# Altium PCB Arcaboard.PcbDoc (part 1 of 2) (continued)
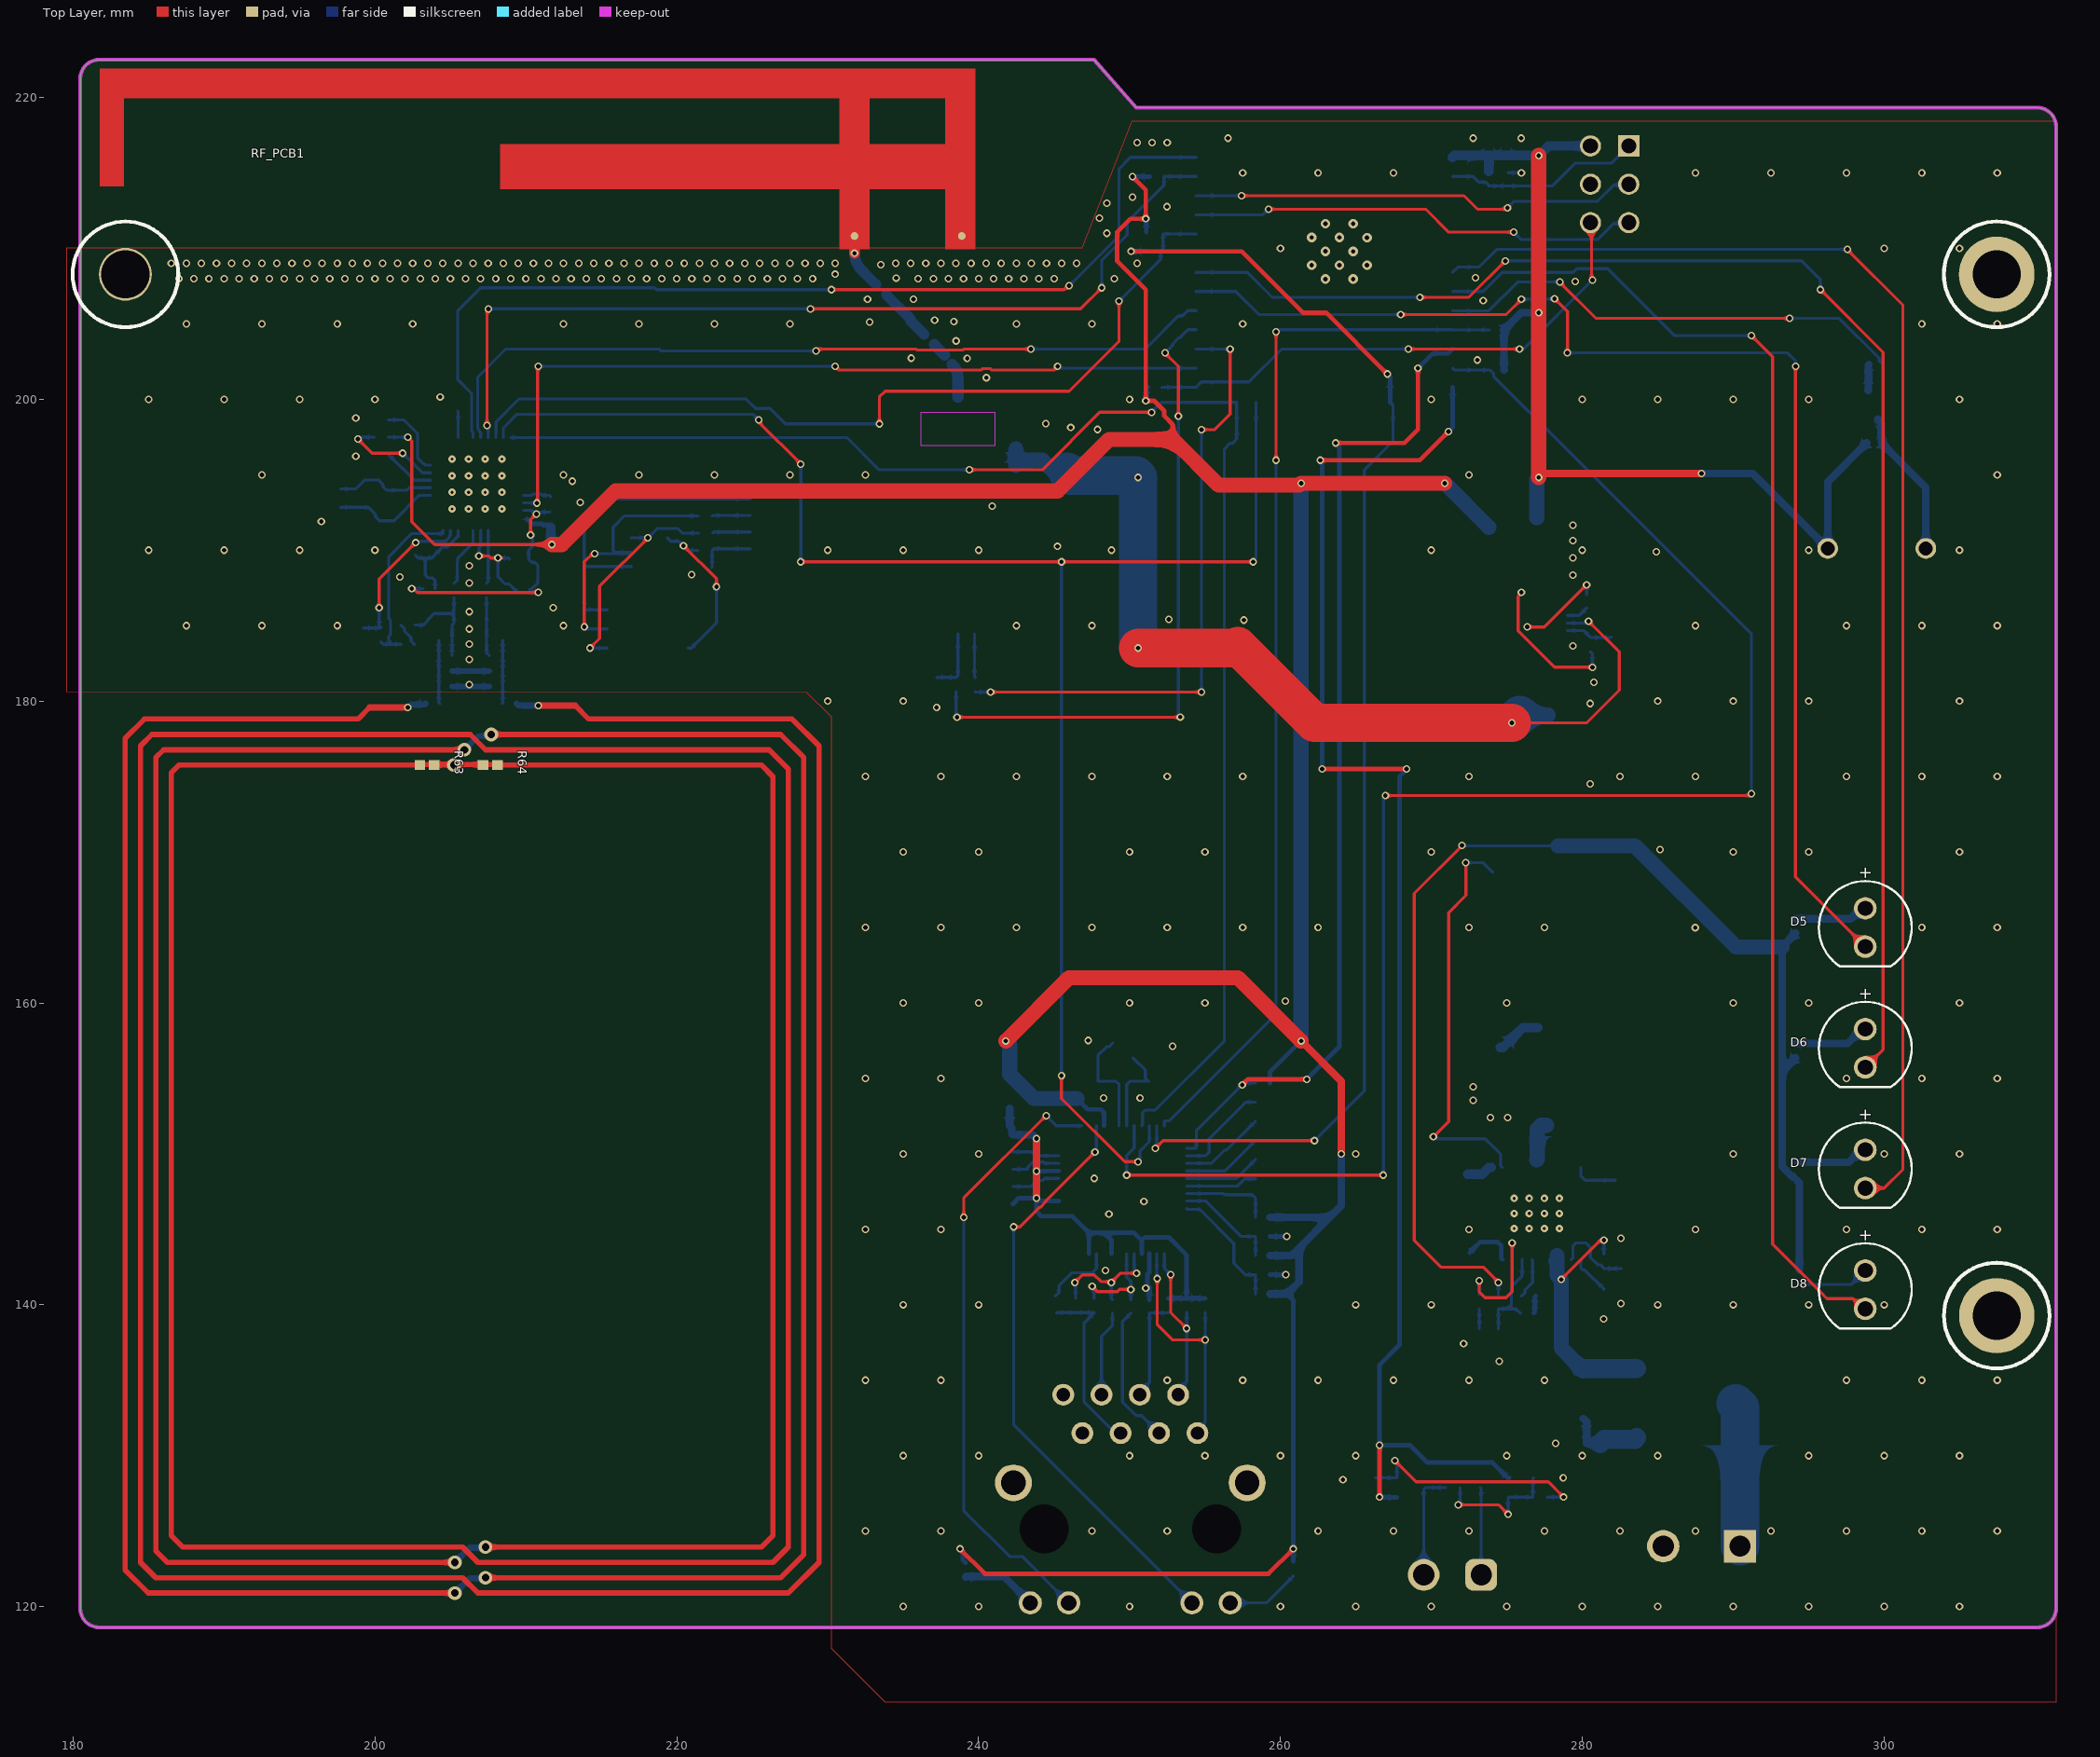
[diagram p0: Top Layer view]
## Components (designator, comment, footprint, x,y, rotation, side; value= is the part's Value field where it differs from the comment) (continued)
R12 "24k9 0402 0.1%" RESC1005X40X25ML05T10 274.447,140.208 r90 bottom
R13 "10k 0402 0.1%" RESC1005X40X25ML05T10 274.447,137.922 r90 bottom
R14 "1M 0402 1%" RESC1005X40X25ML05T10 249.588,154.813 r180 bottom
R15 "51R 0402 1%" RESC1005X40X25ML05T10 255.016,139.954 r270 bottom
R16 "51R 0402 1%" RESC1005X40X25ML05T10 253.788,139.954 r270 bottom
R17 "10R 0402 1%" RESC1005X40X25ML05T10 252.561,139.954 r270 bottom
R18 "10k 0402 0.1%" RESC1005X40X25ML05T10 258.826,148.336 r180 bottom
R19 "10k 0402 0.1%" RESC1005X40X25ML05T10 258.826,149.606 r180 bottom
R20 "10k 0402 0.1%" RESC1005X40X25ML05T10 258.826,150.876 r180 bottom
R21 "10k 0402 0.1%" RESC1005X40X25ML05T10 258.826,152.146 r180 bottom
R22 "10k 0402 0.1%" RESC1005X40X25ML05T10 258.826,153.416 r180 bottom
R23 "10k 0402 0.1%" RESC1005X40X25ML05T10 258.826,154.686 r180 bottom
R24 "1.5R 0402 1%" RESC1005X40X25ML05T10 208.915,179.832 r0 bottom
R25 "0R 0402 1%" RESC1005X40X25ML05T10 251.587,209.804 r0 bottom
R26 "0R 0402 1%" RESC1005X40X25ML05T10 200.406,196.342 r0 bottom
R27 "0R 0402 1%" RESC1005X40X25ML05T10 200.406,197.485 r180 bottom
R28 "560 nH 0402 1%" RESC1005X40X25ML05T10 207.391,187.325 r90 bottom
R29 "1k 0402 1%" RESC1005X40X25ML05T10 260.858,122.522 r270 bottom
R30 "10k 0402 0.1%" RESC1005X40X25ML05T10 258.826,140.716 r0 bottom
R31 "0R 0402 1%" RESC1005X40X25ML05T10 200.406,198.628 r0 bottom
R32 "1k 0402 1%" RESC1005X40X25ML05T10 239.141,122.428 r270 bottom
R33 "10k 0402 0.1%" RESC1005X40X25ML05T10 258.826,143.256 r0 bottom
R34 "10k 0402 0.1%" RESC1005X40X25ML05T10 274.32,204.597 r0 bottom
R35 "560 nH 0402 1%" RESC1005X40X25ML05T10 205.232,187.325 r90 bottom
R36 "10k 0402 0.1%" RESC1005X40X25ML05T10 274.353,201.93 r0 bottom
R37 "1.5R 0402 1%" RESC1005X40X25ML05T10 203.835,179.832 r0 bottom
R38 "12k4 0402 1%" RESC1005X40X25ML05T10 244.602,140.589 r0 bottom
R39 "1.69K 0402 1%" RESC1005X40X25ML05T10 202.184,185.039 r180 bottom
R40 "82R 0402 1%" RESC1005X40X25ML05T10 247.65,139.954 r270 bottom
R41 "1k 0402 1%" RESC1005X40X25ML05T10 200.406,184.404 r90 bottom
R42 "10k 0402 0.1%" RESC1005X40X25ML05T10 241.775,150.129 r0 bottom
R43 "82R 0402 1%" RESC1005X40X25ML05T10 246.422,139.954 r90 bottom
R44 "1k 0402 1%" RESC1005X40X25ML05T10 239.776,181.102 r270 bottom
R45 "10k 0402 0.1%" RESC1005X40X25ML05T10 237.236,181.102 r90 bottom
R46 "1k 0402 1%" RESC1005X40X25ML05T10 238.506,181.102 r270 bottom
R47 "10k 0402 0.1%" RESC1005X40X25ML05T10 273.812,214.63 r90 bottom
R48 "51k 0402 0.1%" RESC1005X40X25ML05T10 279.814,130.81 r0 bottom
R49 "0R 0402 1%" RESC1005X40X25ML05T10 236.728,203.962 r315 bottom
R50 "0R 0402 1%" RESC1005X40X25ML05T10 233.553,207.264 r315 bottom
R51 "100R 0402 0.1%" RESC1005X40X25ML05T10 221.869,189.992 r0 bottom
R52 "100R 0402 0.1%" RESC1005X40X25ML05T10 221.902,191.135 r0 bottom
R53 "10k 0402 0.1%" RESC1005X40X25ML05T10 257.048,196.85 r90 bottom
R54 "100R 0402 0.1%" RESC1005X40X25ML05T10 221.869,192.278 r0 bottom
R55 "10k 0402 0.1%" RESC1005X40X25ML05T10 251.808,214.757 r180 bottom
R56 "10k 0402 0.1%" RESC1005X40X25ML05T10 251.587,211.074 r180 bottom
R57 "10R 1206 0.5W 1%" CAPC3216X180X55ML20T25 274.574,155.575 r90 bottom
R58 "10k 0402 0.1%" RESC1005X40X25ML05T10 251.681,200.787 r180 bottom
R59 "10k 0402 0.1%" RESC1005X40X25ML05T10 258.826,145.796 r0 bottom
R60 "10k 0402 0.1%" RESC1005X40X25ML05T10 258.826,141.986 r180 bottom
R61 "10k 0402 0.1%" RESC1005X40X25ML05T10 258.826,144.526 r180 bottom
R62 "10k 0402 0.1%" RESC1005X40X25ML05T10 258.826,147.066 r180 bottom
R63 "0R 0402 1%" RESC1005X40X25ML05T10 203.454,175.768 r0 top
R64 "0R 0402 1%" RESC1005X40X25ML05T10 207.645,175.768 r0 top
R65 "1k 0402 1%" RESC1005X40X25ML05T10 299.339,197.104 r0 bottom
R66 "1k 0402 1%" RESC1005X40X25ML05T10 299.466,202.311 r0 bottom
R67 "82R 0402 1%" RESC1005X40X25ML05T10 294.132,165.1 r90 bottom
R68 "82R 0402 1%" RESC1005X40X25ML05T10 294.132,156.845 r90 bottom
R69 "82R 0402 1%" RESC1005X40X25ML05T10 294.259,148.971 r90 bottom
R70 "82R 0402 1%" RESC1005X40X25ML05T10 294.386,141.826 r270 bottom
RF_PCB1 "Planar Inverted-F Antenna" PCB-k9titb4465gfk1ijwrnj-1 239.776,209.931 r0 top
U1 "LM5576MHX/NOPB" PWP0020A_M 276.987,146.05 r90 bottom
U2 "TPS563231DRLR" FP-DRL0006A-MFG 278.279,185.174 r0 bottom
U3 "PN5321A3HN/C106;55" NXP-HVQFN-40_M 206.757,194.386 r90 bottom
U4 "Simcom SIM800C" SIM800C 239.729,184.452 r90 bottom
U5 "Espressif Systems ESP32-WROOM-32D" PCB-1htnvixwtci0bg563is1-1 262.906,208.549 r180 bottom
U6 "eSIM MFF2" SON127P600X95_HS-9N 218.059,184.15 r180 bottom
U7 "W5500" QFP50P900X900X160-48N 249.559,147.621 r90 bottom
Y1 "XRCGB25M000F3A00R0" XRCGB 249.555,156.845 r0 bottom
Y3 "XRCGB27M120F3M10R0" XRCGB 200.279,193.294 r90 bottom

## Footprints (in the part's own frame and the unit in brackets; to place one, negate y for a bottom-side part, rotate by r counter-clockwise, add the part's x,y. Pads: shape width x height; smd on the part's side, far side on the other; paste and mask are expansions set on the pad)
691322310002 [mm] "Horizontal PCB Header, pitch 3.81mm, 02p"
  rrect50% 2.1x2.1 hole 1.4: 1(-1.905,3.4)
  round 2.1 hole 1.4: 2(1.905,3.4)
  silkscreen extent -4.4,-4.6 4.41,4.6, body extent -4.4,-4.6 4.41,4.6, height 7.25
BUZZER-12MM-NS [mil]
  round 54 hole 36: 1(128,0) 2(-127.95,0)
  body extent -233,-233 233,233, height 335
CAPC1005X55X25NL5T10 [mm] "Chip Capacitor, 2-Leads, Body 1.05x0.55mm, IPC Medium Density"
  rect 0.66x0.62 smd: 1(-0.44,0) 2(0.44,0)
  body extent -0.53,-0.28 0.53,0.28, height 0.55
CAPC3216X180X55ML20T25 [mm]
  rect 1.55x1.9 smd: 1(-1.475,0) 2(1.475,0)
  silkscreen extent -0.3,-0.85 0.3,0.85, body extent -1.7,-0.9 1.7,0.9, height 1.8
DIOD-SOT323-3_V [mm] "SOT323, 3-Leads, Body 2.2x1.35mm, Pitch 0.65mm"
  rect 0.9x0.7 smd: 1(-0.95,0.65) 2(-0.95,-0.65) 3(0.95,0)
  silkscreen extent -1.08,-1.1 0.67,1.67, body extent -1.1,-1.1 1.1,1.1, height 1.07
DMP10H400SK313 [mm]
  rect 1.06x2.6 smd: 1(-2.286,-4.05) 3(2.286,-4.05)
  rect 5.632x5.7 smd: 2(0,2.5)
  silkscreen extent -3.29,-5.9 3.29,4.27, body extent -3.29,-4.95 3.29,4.95, height 2.39
FP-95627-0 [mm]
  rect 1.524x2.28 smd paste+0 mask+0: 1(-2.28,-4.56) 3(2.28,-4.56)
  rect 6.74x6.23 smd paste+0 mask+0: 4(0,2.585)
  silkscreen extent -3.36,-2.28 3.36,-0.9, body extent -3.26,-4.95 3.28,4.96, height 2.52
FP-1757242-MFG [mm]
  rect 2.15x2.15 hole 1.4 paste-1000 mask+0: 1(-2.54,4)
  round 2.15 hole 1.4 paste-1000 mask+0: 2(2.54,4)
  silkscreen extent -6.15,-6.07 6.15,6.65, body extent -6.04,-6 6.04,6, height 8.75
FP-BLM15-0_05-MFG [mm]
  rect 0.4x0.5 smd paste+0 mask+0: 1(-0.4,0) 2(0.4,0)
  silkscreen extent -0.53,-0.63 0.52,0.63, body extent -0.5,-0.25 0.5,0.25, height 0.55
FP-DEM8045C-MFG [mm]
  rect 1.75x3 smd paste+0 mask+0: 1(-3.375,0) 2(3.375,0)
  silkscreen extent -4.95,-4.15 4.15,4.15, body extent -4,-4 4,4, height 4.5
FP-DRL0006A-MFG [mm]
  rrect33% 0.67x0.3 smd paste+0 mask+0: 1(-0.74,0.5) 2(-0.74,0) 3(-0.74,-0.5) 4(0.74,-0.5) 5(0.74,0) 6(0.74,0.5)
  silkscreen extent -1.9,-1.05 0.65,1.05, body extent -0.8,-0.8 0.8,0.8, height 0.6
FP-GRM21B-0_15-IPC_C [mm]
  rect 1.006x1.308 smd paste+0 mask+0: 1(-0.726,0) 2(0.726,0)
  silkscreen extent -1.23,-1.1 1.23,1.1, body extent -1,-0.63 1,0.63, height 1.4
FP-GRM188-0_2-IPC_B [mm]
  rect 1.105x1.006 smd paste+0 mask+0: 1(-0.701,0) 2(0.701,0)
  silkscreen extent -1.25,-0.9 1.25,0.9, body extent -0.8,-0.4 0.8,0.4, height 1
FP-LQM21PH_G0-MFG [mm]
  rect 1.15x1 smd paste+0 mask+0: 1(-1.175,0) 2(1.175,0)
  silkscreen extent -0.23,-0.7 0.23,0.7, body extent -1,-0.63 1,0.63, height 1
HR911105A [mm]
  round 1.446 hole 0.89: 1(0,0) 2(-1.27,-2.54) 3(-2.54,0) 4(-3.81,-2.54) 5(-5.08,0) 6(-6.35,-2.54) 7(-7.62,0) 8(-8.89,-2.54)
  round 1.53 hole 1.02: 9(2.18,11.25) 10(-0.36,11.25) 11(-8.53,11.25) 12(-11.07,11.25)
  round 2.445 hole 1.63: MH1(3.3,3.3) MH2(-12.19,3.3)
  round 1.625 hole 3.25 unplated: MH3(1.27,6.35) MH4(-10.16,6.35)
  silkscreen extent -12.46,-4.3 4.1,17, body extent -12.39,-4.08 3.49,17.32, height 13.53
INDPM115100X400N [mm]
  rect 3.1x3.1 smd: 1(-4.8,0) 2(4.8,0)
  silkscreen extent -5.75,-5 5.75,5, body extent -5.75,-5 5.75,5, height 4
MF06A_N [mm]
  rect 1.1x0.65 smd: 1(-1.2,0.95) 2(-1.2,0) 3(-1.2,-0.95) 4(1.2,-0.95) 5(1.2,0) 6(1.2,0.95)
  silkscreen extent -1.33,-1.5 0.25,1.95, body extent -0.83,-1.49 0.83,1.5, height 1.22
NXP-HVQFN-40_M [mm] "QFN, 40-Leads, Body 6.1x6.1mm, Pitch 0.5mm, Thermal Pad 4.1x4.1mm, IPC Low Density"
  oval 0.85x0.2 smd: 1(-3.075,2.25) 2(-3.075,1.75) 3(-3.075,1.25) 4(-3.075,0.75) 5(-3.075,0.25) 6(-3.075,-0.25) 7(-3.075,-0.75) 8(-3.075,-1.25) 9(-3.075,-1.75) 10(-3.075,-2.25) 21(3.075,-2.25) 22(3.075,-1.75) 23(3.075,-1.25) 24(3.075,-0.75) 25(3.075,-0.25) 26(3.075,0.25) 27(3.075,0.75) 28(3.075,1.25) 29(3.075,1.75) 30(3.075,2.25)
  oval 0.2x0.85 smd: 11(-2.25,-3.075) 12(-1.75,-3.075) 13(-1.25,-3.075) 14(-0.75,-3.075) 15(-0.25,-3.075) 16(0.25,-3.075) 17(0.75,-3.075) 18(1.25,-3.075) 19(1.75,-3.075) 20(2.25,-3.075) 31(2.25,3.075) 32(1.75,3.075) 33(1.25,3.075) 34(0.75,3.075) 35(0.25,3.075) 36(-0.25,3.075) 37(-0.75,3.075) 38(-1.25,3.075) 39(-1.75,3.075) 40(-2.25,3.075)
  rect 4.1x4.1 smd: 41(0,0)
  silkscreen extent -3.97,-3.2 3.2,3.2, body extent -3.05,-3.05 3.05,3.05, height 1
ONSC-SOD-123-2-425-04_V [mm] "SOD, 2-Leads, Body 2.69x1.6mm"
  rect 0.91x1.22 smd: 1(-1.635,0) 2(1.635,0)
  silkscreen extent -1.76,-0.8 0.78,1.28, body extent -1.35,-0.8 1.35,0.8, height 1.35
PCB-1htnvixwtci0bg563is1-1 [mm]
  rect 2x0.9 smd: 1(-8.5,8.755) 2(-8.5,7.485) 3(-8.5,6.215) 4(-8.5,4.945) 5(-8.5,3.675) 6(-8.5,2.405) 7(-8.5,1.135) 8(-8.5,-0.135) 9(-8.5,-1.405) 10(-8.5,-2.675) 11(-8.5,-3.945) 12(-8.5,-5.215) 13(-8.5,-6.485) 14(-8.5,-7.755) 25(8.5,-7.755) 26(8.5,-6.485) 27(8.5,-5.215) 28(8.5,-3.945) 29(8.5,-2.675) 30(8.5,-1.405) 31(8.5,-0.135) 32(8.5,1.135) 33(8.5,2.405) 34(8.5,3.675) 35(8.5,4.945) 36(8.5,6.215) 37(8.5,7.485) 38(8.5,8.755)
  rect 0.9x2 smd: 15(-5.63,-8.755) 16(-4.36,-8.755) 17(-3.1,-8.755) 18(-1.82,-8.755) 19(-0.55,-8.755) 20(0.72,-8.755) 21(1.99,-8.755) 22(3.26,-8.755) 23(4.53,-8.755) 24(5.8,-8.755)
  rect 1.33x1.33 smd: 39(-2.835,-0.58) 39(-2.835,1.245) 39(-2.835,3.09) 39(-1,1.255) 39(-1,3.09) 39(-1,-0.58) 39(0.835,-0.58) 39(0.835,1.255) 39(0.835,3.09)
  body extent -9,-9.25 9,16.25, height 3.2
PCB-37z8hw1ej4f71bosen9e-1 [mm]
  rect 1.4x1.4 hole 1: 1(0,0)
  round 1.4 hole 1: 2(2.54,0) 3(0,-2.54) 4(2.54,-2.54) 5(0,-5.08) 6(2.54,-5.08)
  silkscreen extent -1.27,-6.48 3.81,1.4, body extent -1.21,-6.35 3.75,1.27, height 4.57
PCB-k9titb4465gfk1ijwrnj-1 [mil]
  round 20 smd mask+4: 1(-315,35) 2(-35,35)
  Top Layer region: -275.59,472.44 -354.33,472.44 -354.33,0 -275.59,0
  Top Layer region: 0,472.44 -2283.46,472.44 -2283.46,393.7 0,393.7
  Top Layer region: -35.65,275.59 -1240.18,275.59 -1240.18,157.48 -35.65,157.48
  Top Layer region: -2220.87,471.42 -2283.46,471.42 -2283.46,164.33 -2220.87,164.33
  Top Layer region: 0,472.44 -78.74,472.44 -78.74,0 0,0
PWP0020A_M [mm] "SOP, 20-Leads, Body 6.6x4.5mm, Pitch 0.65mm, Thermal Pad 4.2x3mm, IPC Low Density"
  rrect22% 1.6x0.45 smd: 1(-3.05,2.925) 2(-3.05,2.275) 3(-3.05,1.625) 4(-3.05,0.975) 5(-3.05,0.325) 6(-3.05,-0.325) 7(-3.05,-0.975) 8(-3.05,-1.625) 9(-3.05,-2.275) 10(-3.05,-2.925) 11(3.05,-2.925) 12(3.05,-2.275) 13(3.05,-1.625) 14(3.05,-0.975) 15(3.05,-0.325) 16(3.05,0.325) 17(3.05,0.975) 18(3.05,1.625) 19(3.05,2.275) 20(3.05,2.925)
  rrect3% 3x4.2 smd: 21(0,0)
  silkscreen extent -3.17,-3.3 1.85,3.83, body extent -3.21,-3.25 3.21,3.25, height 1
QFP50P900X900X160-48N [mm]
  rect 1.475x0.3 smd: 1(-4.238,2.75) 2(-4.238,2.25) 3(-4.238,1.75) 4(-4.238,1.25) 5(-4.238,0.75) 6(-4.238,0.25) 7(-4.238,-0.25) 8(-4.238,-0.75) 9(-4.238,-1.25) 10(-4.238,-1.75) 11(-4.238,-2.25) 12(-4.238,-2.75) 25(4.238,-2.75) 26(4.238,-2.25) 27(4.238,-1.75) 28(4.238,-1.25) 29(4.238,-0.75) 30(4.238,-0.25) 31(4.238,0.25) 32(4.238,0.75) 33(4.238,1.25) 34(4.238,1.75) 35(4.238,2.25) 36(4.238,2.75)
  rect 0.3x1.475 smd: 13(-2.75,-4.238) 14(-2.25,-4.238) 15(-1.75,-4.238) 16(-1.25,-4.238) 17(-0.75,-4.238) 18(-0.25,-4.238) 19(0.25,-4.238) 20(0.75,-4.238) 21(1.25,-4.238) 22(1.75,-4.238) 23(2.25,-4.238) 24(2.75,-4.238) 37(2.75,4.238) 38(2.25,4.238) 39(1.75,4.238) 40(1.25,4.238) 41(0.75,4.238) 42(0.25,4.238) 43(-0.25,4.238) 44(-0.75,4.238) 45(-1.25,4.238) 46(-1.75,4.238) 47(-2.25,4.238) 48(-2.75,4.238)
  silkscreen extent -4.85,-3.15 3.15,3.63, body extent -4.5,-4.5 4.5,4.5, height 1.6
RESC1005X40X25ML05T10 [mm] "Chip Resistor, 2-Leads, Body 1.00x0.50mm, IPC Low Density"
  rect 0.7x0.65 smd: 1(-0.475,0) 2(0.475,0)
  body extent -0.53,-0.27 0.53,0.28, height 0.4
SIM800C [mm]
  oval 1.8x0.6 smd: 1(0,0) 2(0,-1.1) 3(0,-2.2) 4(0,-3.3) 5(0,-4.4) 6(0,-5.5) 7(0,-6.6) 8(0,-7.7) 9(0,-8.8) 10(0,-9.9) 11(0,-11) 12(0,-12.1) 22(15.7,-12.1) 23(15.7,-11) 24(15.7,-9.9) 25(15.7,-8.8) 26(15.7,-7.7) 27(15.7,-6.6) 28(15.7,-5.5) 29(15.7,-4.4) 30(15.7,-3.3) 31(15.7,-2.2) 32(15.7,-1.1) 33(15.7,0)
  oval 0.6x1.8 smd: 13(3.45,-14.85) 14(4.55,-14.85) 15(5.65,-14.85) 16(6.75,-14.85) 17(7.85,-14.85) 18(8.95,-14.85) 19(10.05,-14.85) 20(11.15,-14.85) 21(12.25,-14.85) 34(12.25,2.75) 35(11.15,2.75) 36(10.05,2.75) 37(8.95,2.75) 38(7.85,2.75) 39(6.75,2.75) 40(5.65,2.75) 41(4.55,2.75) 42(3.45,2.75)
  Keep-Out Layer pour cut-out: 12.5,1.38 14.65,1.38 14.65,-3.57 12.5,-3.57
  silkscreen extent -1.45,-15.25 16.2,3.25, body extent 0,-14.85 15.7,2.75, height 2.3
SON127P600X95_HS-9N [mm]
  rect 0.96x0.5 smd: 1(-2.675,1.905) 2(-2.675,0.635) 3(-2.675,-0.635) 4(-2.675,-1.905) 5(2.675,-1.905) 6(2.675,-0.635) 7(2.675,0.635) 8(2.675,1.905)
  rect 2.77x3.9 smd paste-1.385: 9(0,0)
  silkscreen extent -3.68,-2.73 3.22,2.77, body extent -3.08,-2.58 3.08,2.58, height 0.95
WL-TMRC_D5.9H8.7 [mm] "THT Mono-color Round Color LED, 2-leads"
  round 1.5 hole 1: 1(-1.27,0) 2(1.27,0)
  silkscreen extent -3.07,-3.07 2.58,3.08, body extent -2.95,-2.95 2.45,2.95, height 9.2
XRCGB [mm]
  rect 0.75x0.7 smd: 1(-0.675,-0.5) 2(0.675,-0.5) 3(0.675,0.5) 4(-0.675,0.5)
  silkscreen extent -1.6,-0.55 -1.5,-0.45, body extent -1,-0.8 1,0.8, height 0.7

## Part data
BUZ1: library part CMP-581a9557be5887dd-1, "Audio Buzzer Magnetic 3Vo-p 5Vo-p 70mA 3.5Vo-p 85dB Through Hole Pin Tray", LCSC_PN=C252915, Manufacturer Part Number=CMT-1285C-035, Manufacturer Part Number 2=GMC1205YA-16R2048, Lead-Free Status="Lead Free", Mounting Style="Through Hole", Octopart URL=https://octopart.com/cmt-1285c-035-cui-71811876, OctopartID=581a9557be5887dd, RoHS=Compliant
C1: library part CMP-2007-03541-2, Capacitance=10uF, Case Code (Imperial)=0805, Case Code (Metric)=2012, Dielectric=X5R, LCSC_PN=C107137, Max Operating Temperature=85°C, Min Operating Temperature=-55°C, Package Quantity=1, Tolerance=10%, Voltage=25V, Case/Package=0805, Depth=1.25mm, Height=1.25mm, Lead Free="Lead Free", Length=2mm, Material=Ceramic, Mount="Surface Mount", Packaging="Tape and Reel", Radiation Hardening=No, Termination=SMD/SMT, Thickness=0.053inch, Voltage Rating=25V, Voltage Rating (DC)=25V, Width=0.049inch
C2 C3: library part CMP-2007-03541-2, "Chip Multilayer Ceramic Capacitors for General Purpose, 0805, 2.2uF, X7T, 15%, 10%, 100V", Capacitance=10uF, Case Code (Imperial)=0805, Case Code (Metric)=2012, Dielectric=X5R, LCSC_PN=C2981733, Max Operating Temperature=85°C, Min Operating Temperature=-55°C, Package Quantity=1, Tolerance=10%, Voltage=25V, Case/Package=0805, Depth=1.25mm, Height=1.25mm, Lead Free="Lead Free", Length=2mm, Material=Ceramic, Mount="Surface Mount", Packaging="Tape and Reel", Radiation Hardening=No, Termination=SMD/SMT, Thickness=0.053inch, Voltage Rating=25V, Voltage Rating (DC)=25V, Width=0.049inch
C4 C12 C15 C20 C32 C33 C38 C40 C44 C46 C51 C53 C56 C57 C58 C59 C60 C63: library part CMP-1662-00020-1, LCSC_PN=C77020, ComponentLink1Description="Manufacturer URL", ComponentLink1URL=http://www.murata.com/, ComponentLink2Description=Datasheet, ComponentLink2URL=http://psearch.en.murata.com/capacitor/product/GRM155R60J105KE19%23.pdf
C5 C18: library part CMP-1662-00020-1, LCSC_PN=C5125804, ComponentLink1Description="Manufacturer URL", ComponentLink1URL=http://www.murata.com/, ComponentLink2Description=Datasheet, ComponentLink2URL=http://psearch.en.murata.com/capacitor/product/GRM155R60J105KE19%23.pdf
C6: library part CMP-2007-03541-2, Capacitance=10uF, Case Code (Imperial)=0805, Case Code (Metric)=2012, Dielectric=X5R, LCSC_PN=C141660, Max Operating Temperature=85°C, Min Operating Temperature=-55°C, Package Quantity=1, Tolerance=10%, Voltage=25V, Case/Package=0805, Depth=1.25mm, Height=1.25mm, Lead Free="Lead Free", Length=2mm, Material=Ceramic, Mount="Surface Mount", Packaging="Tape and Reel", Radiation Hardening=No, Termination=SMD/SMT, Thickness=0.053inch, Voltage Rating=25V, Voltage Rating (DC)=25V, Width=0.049inch
C7: library part CMP-2007-03541-2, Capacitance=10uF, Case Code (Imperial)=0805, Case Code (Metric)=2012, Dielectric=X5R, LCSC_PN=C45783, Max Operating Temperature=85°C, Min Operating Temperature=-55°C, Package Quantity=1, Tolerance=10%, Voltage=25V, Case/Package=0805, Depth=1.25mm, Height=1.25mm, Lead Free="Lead Free", Length=2mm, Material=Ceramic, Mount="Surface Mount", Packaging="Tape and Reel", Radiation Hardening=No, Termination=SMD/SMT, Thickness=0.053inch, Voltage Rating=25V, Voltage Rating (DC)=25V, Width=0.049inch
C8 C9 C10 C11 C39 C45 C50 C52 C55: library part CMP-1662-00020-1, LCSC_PN=C77000, ComponentLink1Description="Manufacturer URL", ComponentLink1URL=http://www.murata.com/, ComponentLink2Description=Datasheet, ComponentLink2URL=http://psearch.en.murata.com/capacitor/product/GRM155R60J105KE19%23.pdf
C13 C14: library part CMP-06035-022879-1, LCSC_PN=C91606
C16 C61: library part CMP-1662-00020-1, LCSC_PN=C77009, ComponentLink1Description="Manufacturer URL", ComponentLink1URL=http://www.murata.com/, ComponentLink2Description=Datasheet, ComponentLink2URL=http://psearch.en.murata.com/capacitor/product/GRM155R60J105KE19%23.pdf
C17 C19: library part CMP-1662-00020-1, LCSC_PN=C527014, ComponentLink1Description="Manufacturer URL", ComponentLink1URL=http://www.murata.com/, ComponentLink2Description=Datasheet, ComponentLink2URL=http://psearch.en.murata.com/capacitor/product/GRM155R60J105KE19%23.pdf
C21 C22: library part CMP-1662-00020-1, LCSC_PN=C161534, ComponentLink1Description="Manufacturer URL", ComponentLink1URL=http://www.murata.com/, ComponentLink2Description=Datasheet, ComponentLink2URL=http://psearch.en.murata.com/capacitor/product/GRM155R60J105KE19%23.pdf
C23 C36: library part CMP-1662-00020-1, LCSC_PN=C76960, ComponentLink1Description="Manufacturer URL", ComponentLink1URL=http://www.murata.com/, ComponentLink2Description=Datasheet, ComponentLink2URL=http://psearch.en.murata.com/capacitor/product/GRM155R60J105KE19%23.pdf
C24 C26 C28 C29 C30 C37: library part CMP-1662-00020-1, LCSC_PN=C71693, ComponentLink1Description="Manufacturer URL", ComponentLink1URL=http://www.murata.com/, ComponentLink2Description=Datasheet, ComponentLink2URL=http://psearch.en.murata.com/capacitor/product/GRM155R60J105KE19%23.pdf
C25 C43 C48: library part CMP-1662-00020-1, LCSC_PN=C527026, ComponentLink1Description="Manufacturer URL", ComponentLink1URL=http://www.murata.com/, ComponentLink2Description=Datasheet, ComponentLink2URL=http://psearch.en.murata.com/capacitor/product/GRM155R60J105KE19%23.pdf
C27 C31: library part CMP-1662-00020-1, LCSC_PN=C77177, ComponentLink1Description="Manufacturer URL", ComponentLink1URL=http://www.murata.com/, ComponentLink2Description=Datasheet, ComponentLink2URL=http://psearch.en.murata.com/capacitor/product/GRM155R60J105KE19%23.pdf
C34 C35: library part CMP-1662-00020-1, LCSC_PN=C384680, ComponentLink1Description="Manufacturer URL", ComponentLink1URL=http://www.murata.com/, ComponentLink2Description=Datasheet, ComponentLink2URL=http://psearch.en.murata.com/capacitor/product/GRM155R60J105KE19%23.pdf
C41 C49: library part CMP-1662-00020-1, LCSC_PN=C93654, ComponentLink1Description="Manufacturer URL", ComponentLink1URL=http://www.murata.com/, ComponentLink2Description=Datasheet, ComponentLink2URL=http://psearch.en.murata.com/capacitor/product/GRM155R60J105KE19%23.pdf
C42: library part CMP-1662-00020-1, LCSC_PN=C106205, ComponentLink1Description="Manufacturer URL", ComponentLink1URL=http://www.murata.com/, ComponentLink2Description=Datasheet, ComponentLink2URL=http://psearch.en.murata.com/capacitor/product/GRM155R60J105KE19%23.pdf
C47: library part CMP-1662-00020-1, LCSC_PN=C76995, ComponentLink1Description="Manufacturer URL", ComponentLink1URL=http://www.murata.com/, ComponentLink2Description=Datasheet, ComponentLink2URL=http://psearch.en.murata.com/capacitor/product/GRM155R60J105KE19%23.pdf
C54 C62: library part CMP-1662-00020-1, LCSC_PN=C33149, ComponentLink1Description="Manufacturer URL", ComponentLink1URL=http://www.murata.com/, ComponentLink2Description=Datasheet, ComponentLink2URL=http://psearch.en.murata.com/capacitor/product/GRM155R60J105KE19%23.pdf
D1: library part CMP-00030-20473304-1, "VS-6CWQ10FN-M3 Rectifier Diode, Schottky, 1 Phase, 2 Element, 7A, 100V V(RRM), Silicon, TO-252AA", Average Rectified Current=3.5A, Capacitance=92pF, Case/Package=DPAK, Forward Current=7A, Forward Voltage=960mV, LCSC_PN=C3759619, Manufacturer Package Identifier=95627, Max Forward Surge Current (Ifsm)=440A, Max Junction Temperature (Tj)=150°C, Max Repetitive Reverse Voltage (Vrrm)=100V, Min Operating Temperature=-40°C, Peak Reverse Current=1mA, Element Configuration="Common Cathode", Height=2.39mm, Length=6.73mm, Max Operating Temperature=150°C, Max Reverse Voltage (DC)=100V, Mount="Surface Mount", NexarPartId=20473304, Number of Pins=3, Peak Non-Repetitive Surge Current=440A, Reverse Voltage=100V, RoHS=Compliant, Schedule B="8541100080, 8541100080", Width=6.22mm
D2: library part CMP-1060-00573-1, "Zener Voltage Regulator, 500 mW, 2-Pin SOD-123, Pb-Free, Tape and Reel", LCSC_PN=C2759896, Manufacturer="On Semiconductor", ComponentLink1Description="Manufacturer URL", ComponentLink1URL=http://www.onsemi.com/, ComponentLink2Description=Datasheet, ComponentLink2URL=http://www.onsemi.com/pub_link/Collateral/MMSZ5221BT1-D.PDF, ComponentLink3Description="Package Specification", ComponentLink3URL=http://www.onsemi.com/pub_link/Collateral/425-04.PDF, DatasheetVersion="Rev. 12", Mounting Technology="Surface Mount", P Max (W)=0.5, PackageDescription="2-Pin SOD, Body 1.6 x 2.69 mm", PackageReference=SOD-123-2-425-04, PackageVersion="Rev. G, 10/2009", Packing="Tape and Reel", PartNumber=MMSZ5231BT1G, RoHS=Pb-Free, VZ Typ (V)=5.1
D3: library part CMP-924f5b40f9684d88-1, "ESDA Series 5 Channel 6.1 V 50 pF SMT Uni Directional Transil Array - SOT-23-6L", Breakdown Voltage="7.20 V", Case/Package=SOT-23, LCSC_PN=C6650, Operating Voltage="6.10 V", Power Rating="100 W", Lead-Free Status="Lead Free", Lifecycle Status=Active, Manufacturer Part Number=ESDA6V1-5SC6, Mounting Style="Surface Mount", Number of Pins=6, Octopart URL=http://octopart.com/esda6v1-5sc6-stmicroelectronics-347713, OctopartID=924f5b40f9684d88, Packaging="Tape & Reel (TR), Cut Tape (CT)", REACH SVHC Compliance="No SVHC", RoHS=Compliant, Size-Height="1.45 mm", Size-Length="3.05 mm", Size-Width="1.75 mm", TME=ESDA6V1-5SC6, Voltage Rating (DC)="6.10 V"
D4: library part CMP-1060-00410-1, "Zener Voltage Regulator, 500 mW, 2-Pin SOD-123, Pb-Free, Tape and Reel", LCSC_PN=C236094, Manufacturer="On Semiconductor", ComponentLink1Description="Manufacturer URL", ComponentLink1URL=http://www.onsemi.com/, ComponentLink2Description=Datasheet, ComponentLink2URL=http://www.onsemi.com/pub_link/Collateral/MMSZ2V4T1-D.PDF, ComponentLink3Description="Package Specification", ComponentLink3URL=http://www.onsemi.com/pub_link/Collateral/425-04.PDF, DatasheetVersion="Rev. 11", Mounting Technology="Surface Mount", P Max (W)=0.5, PackageDescription="2-Pin SOD, Body 1.6 x 2.69 mm", PackageReference=SOD-123-2-425-04, PackageVersion="Rev. G, 10/2009", Packing="Tape and Reel", PartNumber=MMSZ10T1G, RoHS=Pb-Free
D5 D6 D7 D8: library part CMP-1488-00009-2, Case/Package=Radial, Color=Blue, Forward Current=100mA, Forward Voltage=3.2V, LCSC_PN=C2895496, Max Operating Temperature=85°C, Max Reverse Voltage (DC)=5V, Min Operating Temperature=-40°C, Test Current=20mA, Dominant Wavelength=470nm, Height=8.6mm, Length=5mm, Lens Size=5mm, Lens Style="Circular, Diffused, Round", Luminous Intensity=500mcd, Mount="Through Hole", NexarPartId=29717812, Packaging=Bulk, Peak Wavelength=465nm, REACH SVHC=Unknown, RoHS=Compliant, Viewing Angle=40°, Wavelength=470nm, Width=5mm
FB1 FB2: library part CMP-0686-00170-4, "Chip Ferrite Bead, 0402, 120Ω @ 100MHz, 0.19Ω, 25%, 550mA", Case Code (Imperial)=0402, Case Code (Metric)=1005, Current Rating=550mA, DC Current=500mA, DC Resistance (DCR)=190mR, Frequency=100MHz, LCSC_PN=C316452, Max Operating Temperature=125°C, Min Operating Temperature=-55°C, Package Quantity=1, Tolerance=25%, Case/Package=0402, Core Material=Ferrite, Depth=0.55mm, Height=0.5mm, Impedance=120R, Lead Free="Lead Free", Length=1mm, Material=Steel, Max Current Rating=550mA, Max DC Current=500mA, Military Standard=Not, Number of Circuits=1, Number of Lines=1, Number of Pins=2, Packaging="Tape and Reel", Radiation Hardening=No, REACH SVHC="No SVHC", Shielding=Unshielded, Termination=SMD/SMT, Test Frequency=100MHz, Width=0.5mm
J1: library part CMP-09399-000010-1, "TERM BLOCK HDR 2POS 90DEG 5.08MM", Color=Grey, Current=15A, Current Rating=12A, Flammability Rating="UL94 V-0", Housing Color=Green, LCSC_PN=C90074, Package Quantity=50, Voltage=300V, Voltage Rating=250V, Voltage Rating (DC)=320V, Approvals=UL, Connector Type=Plug, Contact Material=Tin, Contact Plating=Tin, Depth=12mm, Gender=Male, Height=12.08mm, Housing Material=PBT, Lead Free="Lead Free", Length=12.16mm, Max Current Rating=12A, Mount="Through Hole", Number of Contacts=2, Number of Levels=1, Number of Poles=2, Number of Positions=2, Number of Positions Per Level=2, Number of Rows=1, Orientation="Right Angle", Packaging=Bulk, Pitch=5.08mm, REACH SVHC="No SVHC", RoHS Compliant=Yes, Series=MSTBA, Termination=Solder, Weight=5.396916oz, Width=12.1mm
J2: "Connector", LCSC_PN=C12074, Manufacturer_Name="Hanrun Electronics", Datasheet Link=https://datasheet.lcsc.com/szlcsc/Zhongshan-HanRun-Elec-HR911105A_C12074.pdf, Height=13.75mm, Manufacturer_Part_Number=HR911105A
J3: library part CMP-bcf575fbeff46332-1, "Dual Row Connector Female Samtec SLW-103-01-T-D", Color=Black, LCSC_PN=C492420, Manufacturer Part Number=SLW-103-01-T-D, Operating Temperature="105 °C (max)", Voltage Rating (AC)="400 V", Contact Material="Phosphor Bronze", Contact Plating=Tin, Gender=Female, Housing Color=Black, Housing Material=Plastic, Lead-Free Status="Lead Free", Mounting Style="Through Hole, Vertical", Number of Contacts=6, Number of Positions=6, Number of Rows=2, Octopart URL=https://octopart.com/slw-103-01-t-d-samtec-292455, OctopartID=bcf575fbeff46332, Packaging=Tube, Pin Pitch="2.54 mm", REACH SVHC Compliance="No SVHC", RoHS=Compliant, Size-Height="4.57 mm", Size-Length="7.62 mm", Size-Width="4.95 mm"
J4: library part CMP-1502-01886-2, Color=Green, Current=10A, LCSC_PN=C5188157, Max Operating Temperature=105°C, Min Operating Temperature=-40°C, Voltage=300V, Contact Material=Brass, Contact Plating=Tin, Current Rating=10A, Gender=Male, Height=7.2mm, Lead Pitch=3.81mm, Length=10.5mm, Mount="Through Hole", NexarPartId=8917777, Number of Contacts=2, Number of Levels=1, Number of Pins=2, Number of Positions Per Level=2, Number of Rows=1, Packaging=Box, Pitch=3.81mm, REACH SVHC=Unknown, RoHS=Compliant, Termination=Solder, Voltage Rating=300V, Width=9.01mm
L1: "Inductor", LCSC_PN=C2454199, Manufacturer_Name=Sumida, Mouser Part Number=851-104CDMCCDS-330MC, Datasheet Link=http://products.sumida.com/products/pdf/104CDMCCDS.pdf, Height=4mm, Manufacturer_Part_Number=104CDMCCDS-330MC, Mouser Price/Stock=https://www.mouser.co.uk/ProductDetail/Sumida/104CDMCCDS-330MC?qs=D3efs7kfDkW3KXs3c4IVMQ%3D%3D
L2: library part CMP-06042-006799-1, "Shielded Wirewound Inductor 3.3uH 30% 6800mA 0.0144Ω SMD", Case/Package=SMD/SMT, Current Rating=6.8A, DC Resistance (DCR)=14.4mR, Inductance=3.3uH, LCSC_PN=C514864, Resistor Type=Wirewound, Saturation Current=7.7A, Test Frequency=100kHz, Tolerance=30%, Core Material=Ferrite, Height - Seated (Max)=0.177inch, Length=0.315inch, Max DC Current=6.8A, Mount="Surface Mount", Number of Pins=2, Packaging="Tape and Reel", Shielding=Shielded, Width=0.315inch
L3: library part CMP-06042-016504-1, "Multilayer Type Inductor for Power Lines, 0805 (2012), 1μH, 20%, 0.1Ω, 2A", Case Code (Imperial)=0805, Case Code (Metric)=2012, Current Rating=1.7A, DC Resistance (DCR)=100mR, Inductance=1uH, LCSC_PN=C703134, Max Operating Temperature=85°C, Min Operating Temperature=-40°C, Package Quantity=3000, Saturation Current=1.1A, Self Resonant Frequency=60MHz, Test Frequency=1MHz, Tolerance=20%, Case/Package=0805, Core Material=Ferrite, Height=0.9mm, Height - Seated (Max)=0.039inch, Lead Free="Lead Free", Length=0.079inch, Max DC Current=1.7A, Mount="Surface Mount", Packaging="Tape and Reel", RoHS Compliant=Yes, Shielding=Shielded, Termination=SMD/SMT, Weight=0.000194oz, Width=0.049inch
Q1 Q2 Q4: library part CMP-2000-05968-1, "N-Channel Enhancement Mode Mosfet, 50 V, 200 mA, -55 to 150 degC, 6-Pin SOT-323, RoHS, Tape and Reel", Id - Continuous Drain Current=200mA, LCSC_PN=C24553, Manufacturer=DiodesIncorporated, Maximum Operating Temperature=+150C, Minimum Operating Temperature=-55C, Package / Case=SOT-323-3, Package Description="3-Pin Small Outline Transistor, Body 2 x 1.25 mm, Pitch 0.65 mm", Package Reference=SOT323, Pd - Power Dissipation=200mW, Rds On - Drain-Source Resistance=1.4Ohms, Vds - Drain-Source Breakdown Voltage=75V, Vgs - Gate-Source Voltage=20V, Brand=DiodesIncorporated, Channel Mode=Enhancement, Configuration=Single, Datasheet URL=http://www.diodes.com/_files/datasheets/ds30206.pdf, Datasheet Version="Rev. 11-2, 09/2013", Factory Pack Quantity=3000, Forward Transconductance - Min=0.1S, Height=1mm, Length=2.2mm, Manufacturer URL=http://www.diodes.com/, Mounting Style=SMD/SMT, Mounting Technology=SurfaceMount, Number Of Channels=1Channel, Packaging=Reel, Product=MOSFETSmallSignal, Product Category=MOSFET, RoHS=True, Series=BSS138, Technology=Si, Transistor Polarity=N-Channel, Transistor Type=1N-Channel, Type=EnhancementModeFieldEffectTransistor, Typical Turn-Off Delay Time=20ns, Typical Turn-On Delay Time=20ns, Unit Weight=0.000212oz, Width=1.35mm
Q3: "MOSFET (P-Channel)", LCSC_PN=C177034, Manufacturer_Name="Diodes Incorporated", Mouser Part Number=621-DMP10H400SK3-13, Arrow Part Number=DMP10H400SK3-13, Arrow Price/Stock=https://www.arrow.com/en/products/dmp10h400sk3-13/diodes-incorporated?region=nac, Datasheet Link=https://www.diodes.com//assets/Datasheets/DMP10H400SK3.pdf, Height=2.52mm, Manufacturer_Part_Number=DMP10H400SK3-13, Mouser Price/Stock=https://www.mouser.co.uk/ProductDetail/Diodes-Incorporated/DMP10H400SK3-13?qs=wo71MgyKIyFqONaMc85PEA%3D%3D
R1 R5 R10 R11 R13 R18 R19 R20 R21 R22 R23 R30 R33 R34 R36 R42 R45 R47 R53 R55 R56 R58 R59 R60 R61 R62: library part CMP-2002-07472-1, LCSC_PN=C190095
R2 R29 R32 R41 R44 R46 R65 R66: library part CMP-2002-07472-1, LCSC_PN=C106235
R3 R6 R8 R9 R25 R26 R27 R31 R49 R50 R63 R64: library part CMP-2002-07472-1, LCSC_PN=C60485
R4: library part CMP-2002-07472-1, LCSC_PN=C93943
R7: library part CMP-2002-07472-1, LCSC_PN=C137969
R12: library part CMP-2002-07472-1, LCSC_PN=C852664
R14: library part CMP-2002-07472-1, LCSC_PN=C409676
R15 R16: library part CMP-2002-07472-1, LCSC_PN=C226722
R17: library part CMP-2002-07472-1, LCSC_PN=C137925
R24 R37: library part CMP-2002-07472-1, LCSC_PN=C327281
R28 R35: library part CMP-2002-07472-1, LCSC_PN=C969963
R38: library part CMP-2002-07472-1, LCSC_PN=C226767
R39: library part CMP-2002-07472-1, LCSC_PN=C477223
R40 R43 R67 R68 R69 R70: library part CMP-2002-07472-1, LCSC_PN=C227423
R48: library part CMP-2002-07472-1, LCSC_PN=C149896
R51 R52 R54: library part CMP-2002-07472-1, LCSC_PN=C106233
R57: library part CMP-0abdc173b10ad57a-1, Case/Package=1206, LCSC_PN=C309661, Manufacturer Part Number=WSLP12065L000FEA, Manufacturer Part Number 2=FMF06FTHR005-LHL, Power=1W, Resistance=0,002, Lifecycle Status="Not Listed by Manufacturer", Octopart URL=https://octopart.com/1-2176055-0-te+connectivity-46440145, OctopartID=0abdc173b10ad57a, OrderingCode=WSLP12065L000FEA, Packaging="Tape & Reel (TR)"
RF_PCB1: library part CMP-e704afk8c25r4a5ypw1c-12, "GSM900 and GSM1800  Frequency Bands PCB antenna", CustomComponentID=e704afk8c25r4a5ypw1c
U1: library part CMP-0069-01470-3, "SIMPLE SWITCHER® 75V, 3A Step-Down Switching Regulator, 20-pin TSSOP-EP, Pb-Free", LCSC_PN=C390950, Manufacturer="Texas Instruments", PackageTopMarking=NSUZXYTT*LM5576*MH, PowerWise=Y, Code_JEDEC=MO-153-ACT, ComponentLink1Description="Datasheet URL", ComponentLink1URL=http://www.ti.com/general/docs/lit/getliterature.tsp?genericPartNumber=LM5576&fileType=pdf, CompType=Switcher, PackageDescription="Molded TSSOP, Jedec, 6.5 x 4.4 x 0.9mm Body, 20 Lead, 0.65mm Pitch, Exposed Pad", PackageReference=PWP0020A, PinCount=20, RoHS=Y
U2: library part CMP-04918-000435-1, "POWER MANAGEMENT", LCSC_PN=C779412
U3: library part CMP-2000-05282-1, "NFC Controller, 13.56 MHz, -30 to 85 degC, 40-Pin HVQFN (SOT618-1), RoHS, Tray", LCSC_PN=C28925, Manufacturer="NXP Semiconductors", Maximum Operating Temperature=+85C, Minimum Operating Temperature=-25C, Operating Frequency=13.56MHz, Package / Case=QFN-40, Supply Current=12uA, Supply Voltage - Max=5.5V, Supply Voltage - Min=2.7V, Brand=NXPSemiconductors, Datasheet URL=https://datasheet.ciiva.com/1172/1391932-1172875.pdf, Datasheet Version="Rev. 1.2, 03/2011", Factory Pack Quantity=490, Manufacturer URL=http://www.nxp.com/, Mounting Style=SMD/SMT, Packaging=Tray, Product Category=RFWirelessMisc, RoHS=Details, Type=NearFieldTransmissionModule,Read/Write
U4: library part CMP-72dbb8ea0133ad1c-5, "Module: GSM/Bluetooth; GPRS; 2G; 1800MHz, 900MHz; 85.6kbps; SMD", LCSC Part=C69120, LCSC_PN=C69119, Manufacturer Part Number=SIM800C, Mounting Style="Surface Mount", Octopart URL=http://octopart.com/sim800c-simcom-54220430, OctopartID=72dbb8ea0133ad1c
U5: library part CMP-2785eb2e468cf842-1, "SMD Module ESP32-WOOM-32D", LCSC_PN=C473012, Manufacturer Part Number=ESP32-WOOM-32D, Manufacturer Part Number 2=ESP32-WROOM-32, Mounting Style="Surface Mount", Octopart URL=https://octopart.com/esp32-solo-1-espressif+systems-94454895, OctopartID=2785eb2e468cf842
U6: library part CMP-ce8f06c57f401148-2, "Embedded SIM card in MFF2", LCSC_PN=C5122390, DNP=DNP
U7: "Integrated Circuit", LCSC_PN=C32843, Manufacturer_Name="WIZnet Inc", Mouser Part Number=950-W5500, Datasheet Link=http://wizwiki.net/wiki/lib/exe/fetch.php?media=products:w5500:w5500_ds_v106e_141230.pdf, Height=1.6mm, Manufacturer_Part_Number=W5500, Mouser Price/Stock=https://www.mouser.co.uk/ProductDetail/WIZnet/W5500?qs=2vh%252B45pPFtzthUpYPd4pqA%3D%3D
Y1: "Crystal or Oscillator", LCSC_PN=C467842, Manufacturer_Name="Murata Electronics", Mouser Part Number=81-XRCGB25M000F3A0R0, Arrow Part Number=XRCGB25M000F3A00R0, Arrow Price/Stock=https://www.arrow.com/en/products/xrcgb25m000f3a00r0/murata-manufacturing?region=nac, Datasheet Link=https://www.murata.com/en-us/products/productdetail.aspx?cate=cgsubResonators&partno=XRCGB25M000F3A00R0, Height=0.7mm, Manufacturer_Part_Number=XRCGB25M000F3A00R0, Mouser Price/Stock=https://www.mouser.co.uk/ProductDetail/Murata-Electronics/XRCGB25M000F3A00R0?qs=CzouL7iWfZu%252BDUQ1kPudMw%3D%3D
Y3: "Crystal or Oscillator", LCSC_PN=C338245, Manufacturer_Name="Murata Electronics", Mouser Part Number=81-XRCGB27M120F3M1R0, Arrow Part Number=XRCGB27M120F3M10R0, Arrow Price/Stock=https://www.arrow.com/en/products/xrcgb27m120f3m10r0/murata-manufacturing?region=nac, Datasheet Link=https://www.murata.com/products/productdata/8801063075870/SPEC-XRCGB27M120F3M10R0.pdf, Height=0.7mm, Manufacturer_Part_Number=XRCGB27M120F3M10R0, Mouser Price/Stock=https://www.mouser.co.uk/ProductDetail/Murata-Electronics/XRCGB27M120F3M10R0?qs=%2FU9ujJMYoOpT5lIgbwW5qQ%3D%3D

## Free pads (board coordinates)
  round 3.5 hole 3.2: 0(183.464,208.28)
  round 5 hole 3.2: 0(307.464,208.28) 0(307.467,139.283)

## Via types
v1: diameter 0.5, hole 0.3, Top Layer to Bottom Layer, tented both sides, 526 vias
v2: diameter 0.5, hole 0.2, Top Layer to Bottom Layer, 28 vias
v3: diameter 0.635, hole 0.3, Top Layer to Bottom Layer, 12 vias
v4: diameter 0.907/0.907 (per signal layer), hole 0.5, Top Layer to Bottom Layer, tented both sides, 7 vias
v5: diameter 0.5, hole 0.3, Top Layer to Bottom Layer, 1 vias

## Nets (pads, with @x,y where several pads share a name; then routed paths per layer and width w, separated by ;. In a path a pad name is that pad's centre, name@x,y a point inside that pad or via, vN(x,y) a via of type N, cw(c..) or ccw(c..) an arc to the next point about the centre after c; other vN are vias at no path point)
3v3_dig@2A: BUZ1.1 C8.2 C9.2 C10.2 C11.2 C12.2 C32.1 C55.2 C56.2 J3.2 L2.2 L3.1 R4.2 R23.1 R27.1 R29.1 R30.2 R32.1 R33.2 R34.2 R36.2 R47.2 R55.2 R56.2 R58.2 R59.2 R65.1 U3.40 U5.2 U7.28 | length 333.6
  Top Layer w0.2: v1(202.184,197.485) 202.438,197.231 202.438,191.897 203.962,190.373 v1(211.709,190.373) ; v1(275.971,187.198) 275.971,187.154 275.748,186.931 275.748,184.662 278.165,182.245 v1(280.67,182.245)
  Top Layer w0.3: v1(238.76,123.825) 240.411,122.174 259.207,122.174 v1(260.858,123.825) ; v1(250.19,214.757) 251.079,213.868 v1(251.079,211.963) 250.063,211.963 249.174,211.074 249.174,209.169 251.079,207.264 v1(251.079,199.898) 251.623,199.898 252.302,199.219 252.302,198.893 252.873,198.322 252.873,197.342
  Top Layer w0.5: v1(261.366,157.48) 264.033,154.813 v1(264.033,149.987) ; v1(277.114,194.818) 277.368,195.072 v1(287.909,195.072)
  Top Layer w1: v1(211.709,190.373) 212.385,190.373 215.941,193.929 245.237,193.929 248.65,197.342 252.873,197.342 255.905,194.31 261.239,194.31 v1(261.366,194.437) v1(270.891,194.437) ; v1(241.808,157.48) 245.999,161.671 257.175,161.671 v1(261.366,157.48) ; v1(277.114,194.818) v1(277.114,205.74) v1(277.114,216.154)
  Bottom Layer w0.2: R27.1@200.881,197.485 v1(202.184,197.485) ; R4.2@280.543,183.261 280.67,183.134 v1(280.67,182.245)
  Bottom Layer w0.3: U3.40@210.097,192.076 210.422,191.751 211.059,191.751 211.134,191.676 211.49,191.676 C32.1@211.65,191.516 ; v1(238.76,123.825) 238.76,123.771 238.966,123.565 238.966,123.078 R32.1@239.141,122.903 ; 246.507,153.67 247.23,152.947 248.104,152.947 248.309,152.741 U7.28@248.309,151.859 ; v1(250.19,214.757) R55.2@251.333,214.757 ; v1(251.079,199.898) 251.117,199.936 251.117,200.698 R58.2@251.206,200.787 ; v1(251.079,211.963) 251.112,211.93 R56.2@251.112,211.074 ; R23.1@259.301,154.686 259.301,155.415 v1(261.366,157.48) ; 260.438,140.716 260.858,140.296 v1(260.858,123.825) R29.1@260.858,122.997
  Bottom Layer w0.5: R30.2@259.301,140.716 260.438,140.716 261.239,141.517 261.239,143.764 ; R33.2@259.301,143.256 260.731,143.256 261.239,143.764 ; R59.2@259.301,145.796 263.271,145.796 ; v1(264.033,149.987) 264.033,146.558 263.271,145.796 ; R36.2@274.828,201.93 274.812,201.946 274.812,204.581 R34.2@274.795,204.597 274.82,204.597 275.963,205.74 v1(277.114,205.74) ; v1(287.909,195.072) 291.313,195.072 BUZ1.1@296.266,190.119 296.266,194.531 298.839,197.104 R65.1@298.864,197.104 ; 261.239,143.764 263.271,145.796
  Bottom Layer w0.635: C32.1@211.65,191.516 211.65,190.432 v1(211.709,190.373) ; U5.2@271.406,216.034 271.526,216.154 C55.2@273.812,216.154 ; R47.2@273.812,215.105 C55.2@273.812,216.154 ; J3.2@280.543,216.789 277.749,216.789 v1(277.114,216.154) C55.2@273.812,216.154
  Bottom Layer w1: v1(241.808,157.48) 242.062,157.226 242.062,155.278 243.67,153.67 246.507,153.67 ; v1(261.366,157.48) v1(261.366,194.437) ; v1(270.891,194.437) 273.812,191.516 ; 276.987,192.151 276.987,194.691 v1(277.114,194.818)
/INT: R34.1 U5.11 U7.36 | length 70
  Top Layer w0.2: v1(259.715,195.961) v1(259.715,204.47)
  Bottom Layer w0.2: U7.36@252.309,151.859 252.309,152.142 252.359,152.192 252.642,152.192 259.715,159.265 v1(259.715,195.961) ; v1(259.715,204.47) 259.849,204.604 U5.11@271.406,204.604 271.413,204.597 R34.1@273.845,204.597
/RESET: R23.2 U5.12 U7.37 | length 67.3
  Top Layer w0.3: v1(257.472,154.575) 257.837,154.94 v1(261.747,154.94) ; v1(263.652,197.104) 268.224,197.104 269.113,197.993 v1(269.113,202.057)
  Bottom Layer w0.2: U7.37@253.797,150.371 254.385,150.371 254.435,150.421 254.435,151.565 257.556,154.686 R23.2@258.351,154.686
  Bottom Layer w0.3: v1(261.747,154.94) 263.906,157.099 263.906,196.828 263.652,197.082 v1(263.652,197.104) ; v1(269.113,202.057) 270.09,203.034 271.106,203.034 U5.12@271.406,203.334
/SPI-SCS: R36.1 U5.13 U7.32 | length 107.8
  Top Layer w0.2: v1(249.809,148.59) v1(266.808,148.59) ; v1(266.954,173.736) 291.084,173.736 v1(291.211,173.863)
  Bottom Layer w0.2: v1(249.809,148.59) 249.809,149.883 250.309,150.383 U7.32@250.309,151.859 ; v1(266.808,148.59) 266.827,148.609 266.827,173.609 v1(266.954,173.736) ; U5.13@271.406,202.064 271.54,201.93 R36.1@273.878,201.93 273.903,201.93 274.128,201.705 274.128,201.531 278.809,196.85 291.211,184.448 v1(291.211,173.863)
ACTLED: J2.10 U7.27 | length 39.1
  Top Layer w0.2: v1(242.316,145.161) 242.746,145.161 244.047,146.462 244.09,146.462 244.444,146.816 244.444,146.859 v1(247.71,150.125)
  Bottom Layer w0.2: v1(242.316,145.161) 242.316,132.067 J2.10@254.136,120.247 ; v1(247.71,150.125) 247.721,150.114 247.777,150.114 247.809,150.146 U7.27@247.809,151.859
AVDD: C45.1 C46.1 FB2.1 U3.8 | length 6.4
  Bottom Layer w0.2: C45.1@202.692,189.67 202.878,189.484 203.327,189.484 ; FB2.1@203.981,187.452 203.981,188.002 203.823,188.16 203.528,188.16 203.327,188.361 203.327,189.484 ; U3.8@205.507,191.311 205.507,190.92 204.798,190.211 204.483,190.211 203.962,189.69 C46.1@203.962,189.67 203.776,189.484 203.327,189.484
BUZZER: R66.2 U5.10 | length 31.7
  Top Layer w0.2: v1(278.511,207.772) 280.924,205.359 v1(293.751,205.359)
  Bottom Layer w0.2: U5.10@271.406,205.874 271.413,205.867 273.812,205.867 275.717,207.772 v1(278.511,207.772) ; v1(293.751,205.359) 297.042,205.359 299.691,202.71 299.691,202.536 299.916,202.311 R66.2@299.941,202.311